# KiCad board communications-module.kicad_pcb
title: Solarcast Communications Module; date: 2017-02-09; rev: 1.0; company: Institute IRNAS Rače
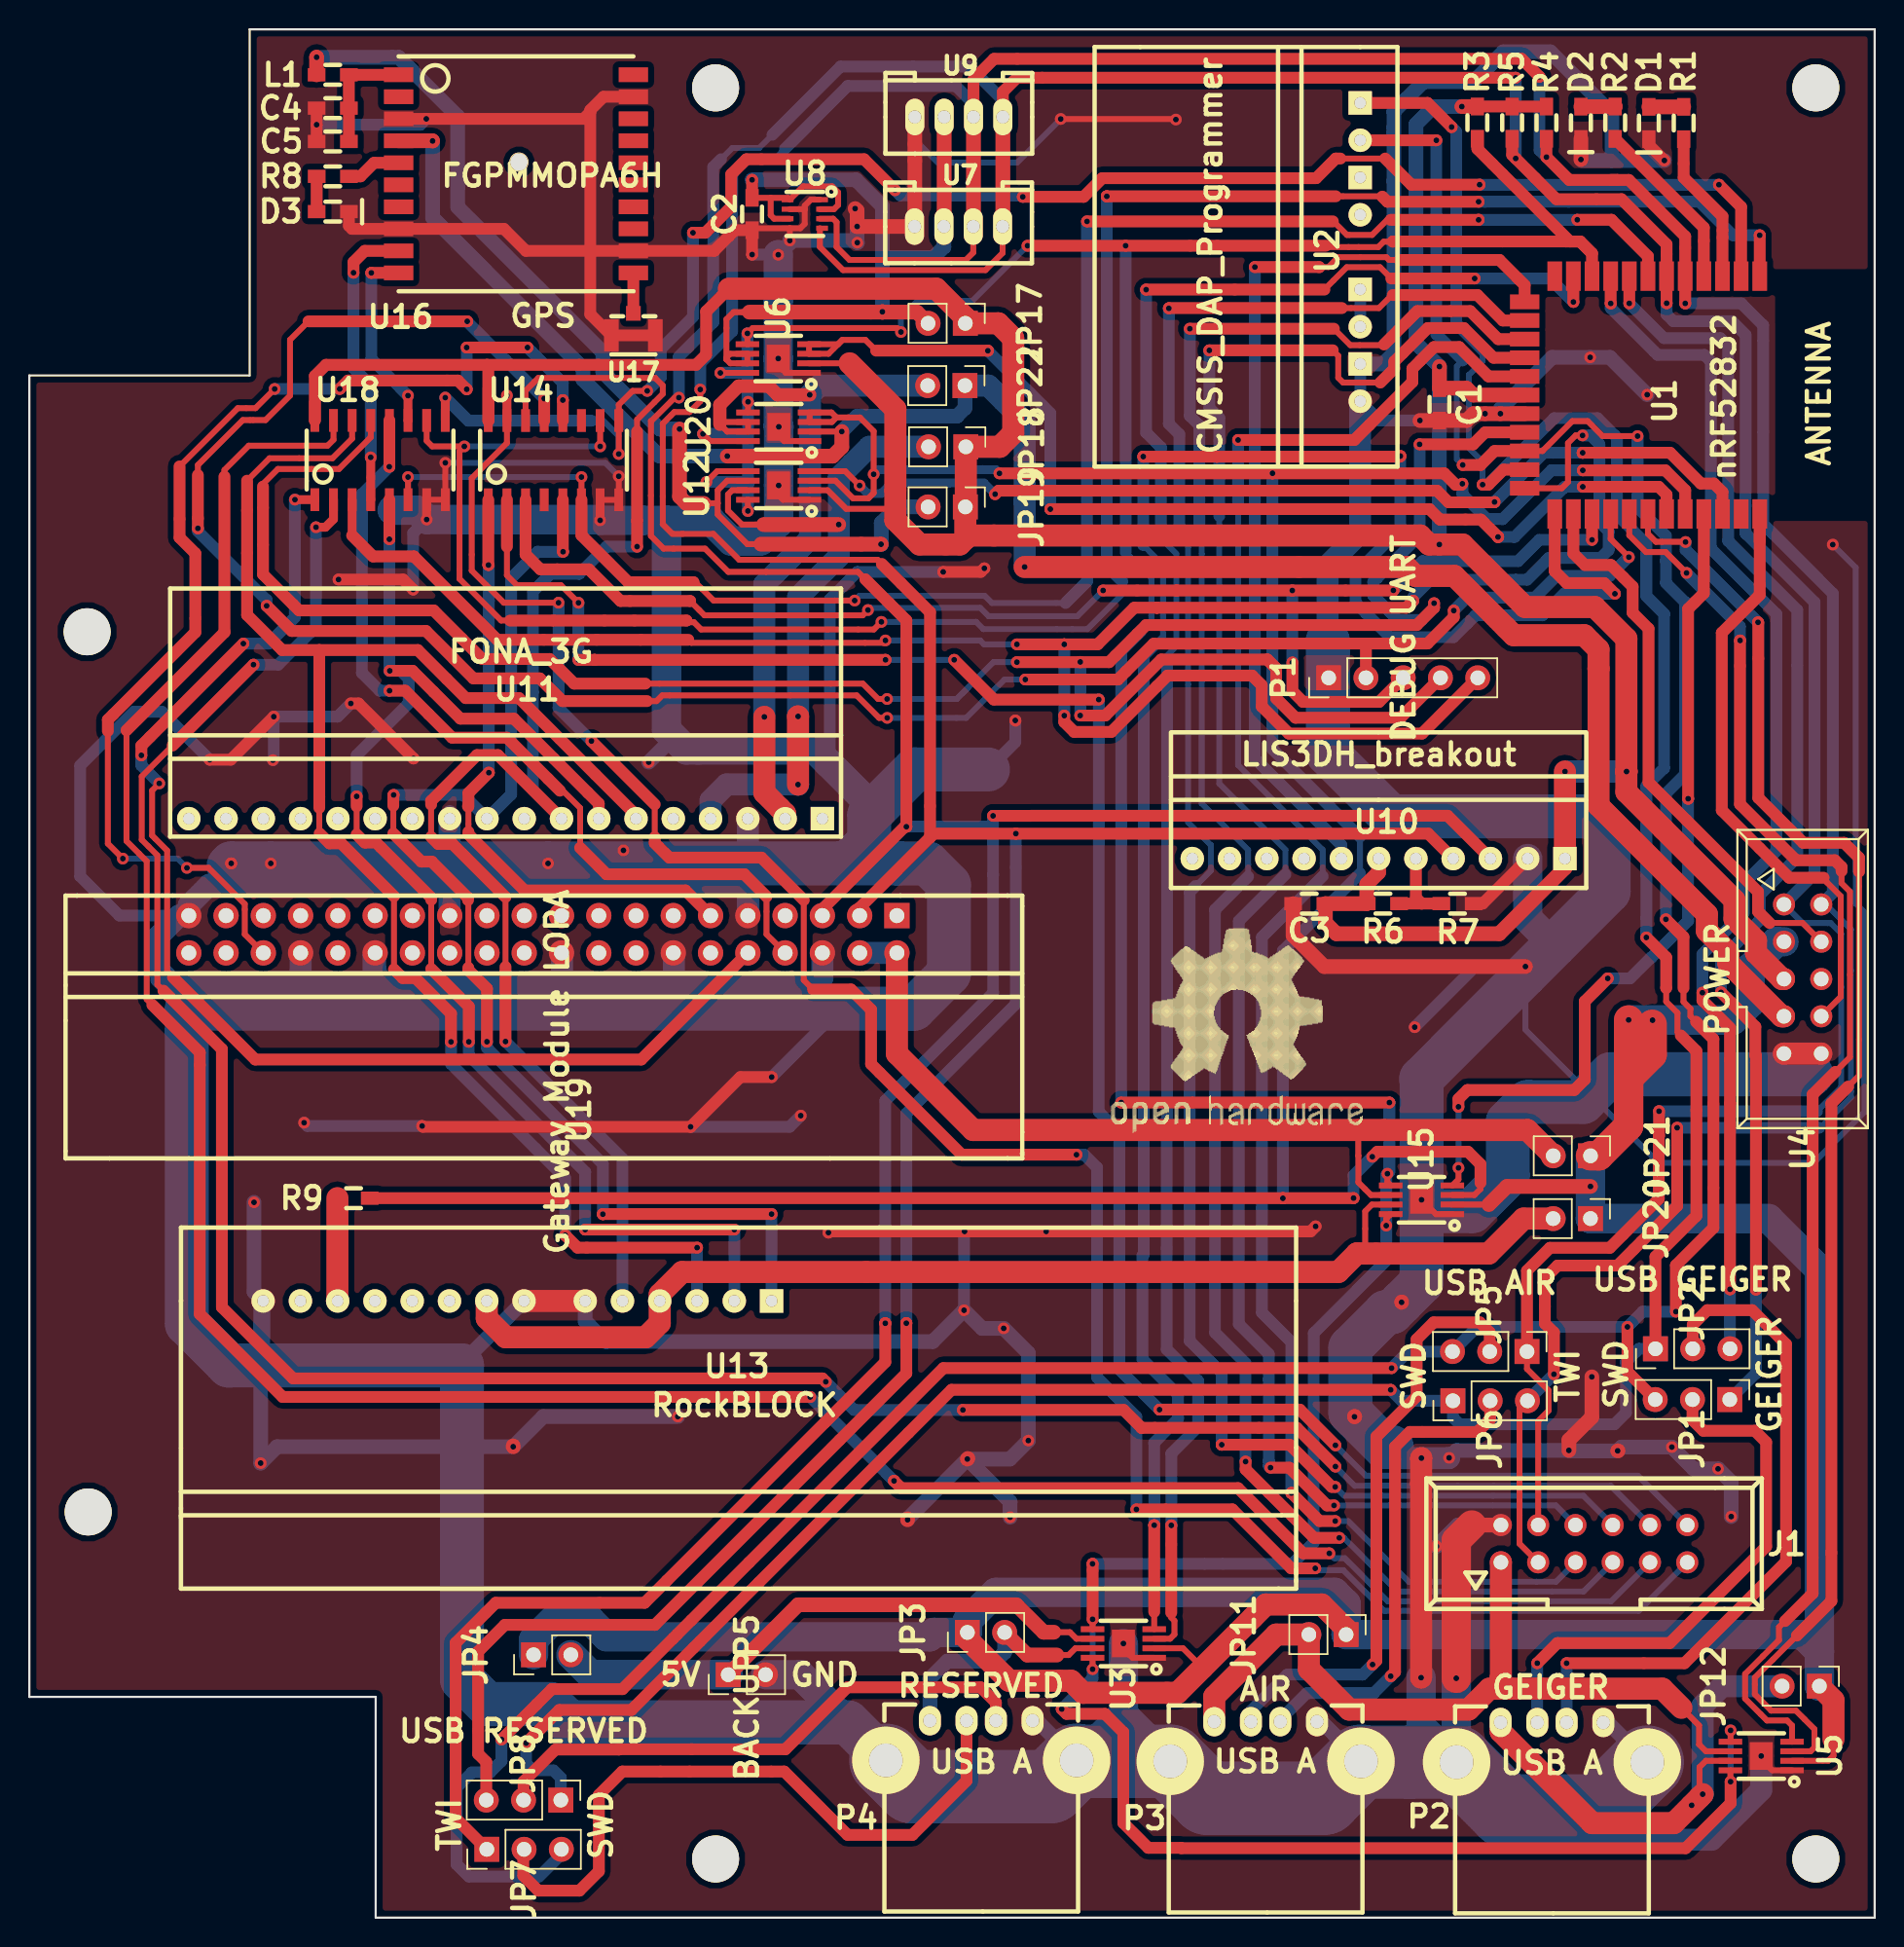
[diagram p0: board, top side]
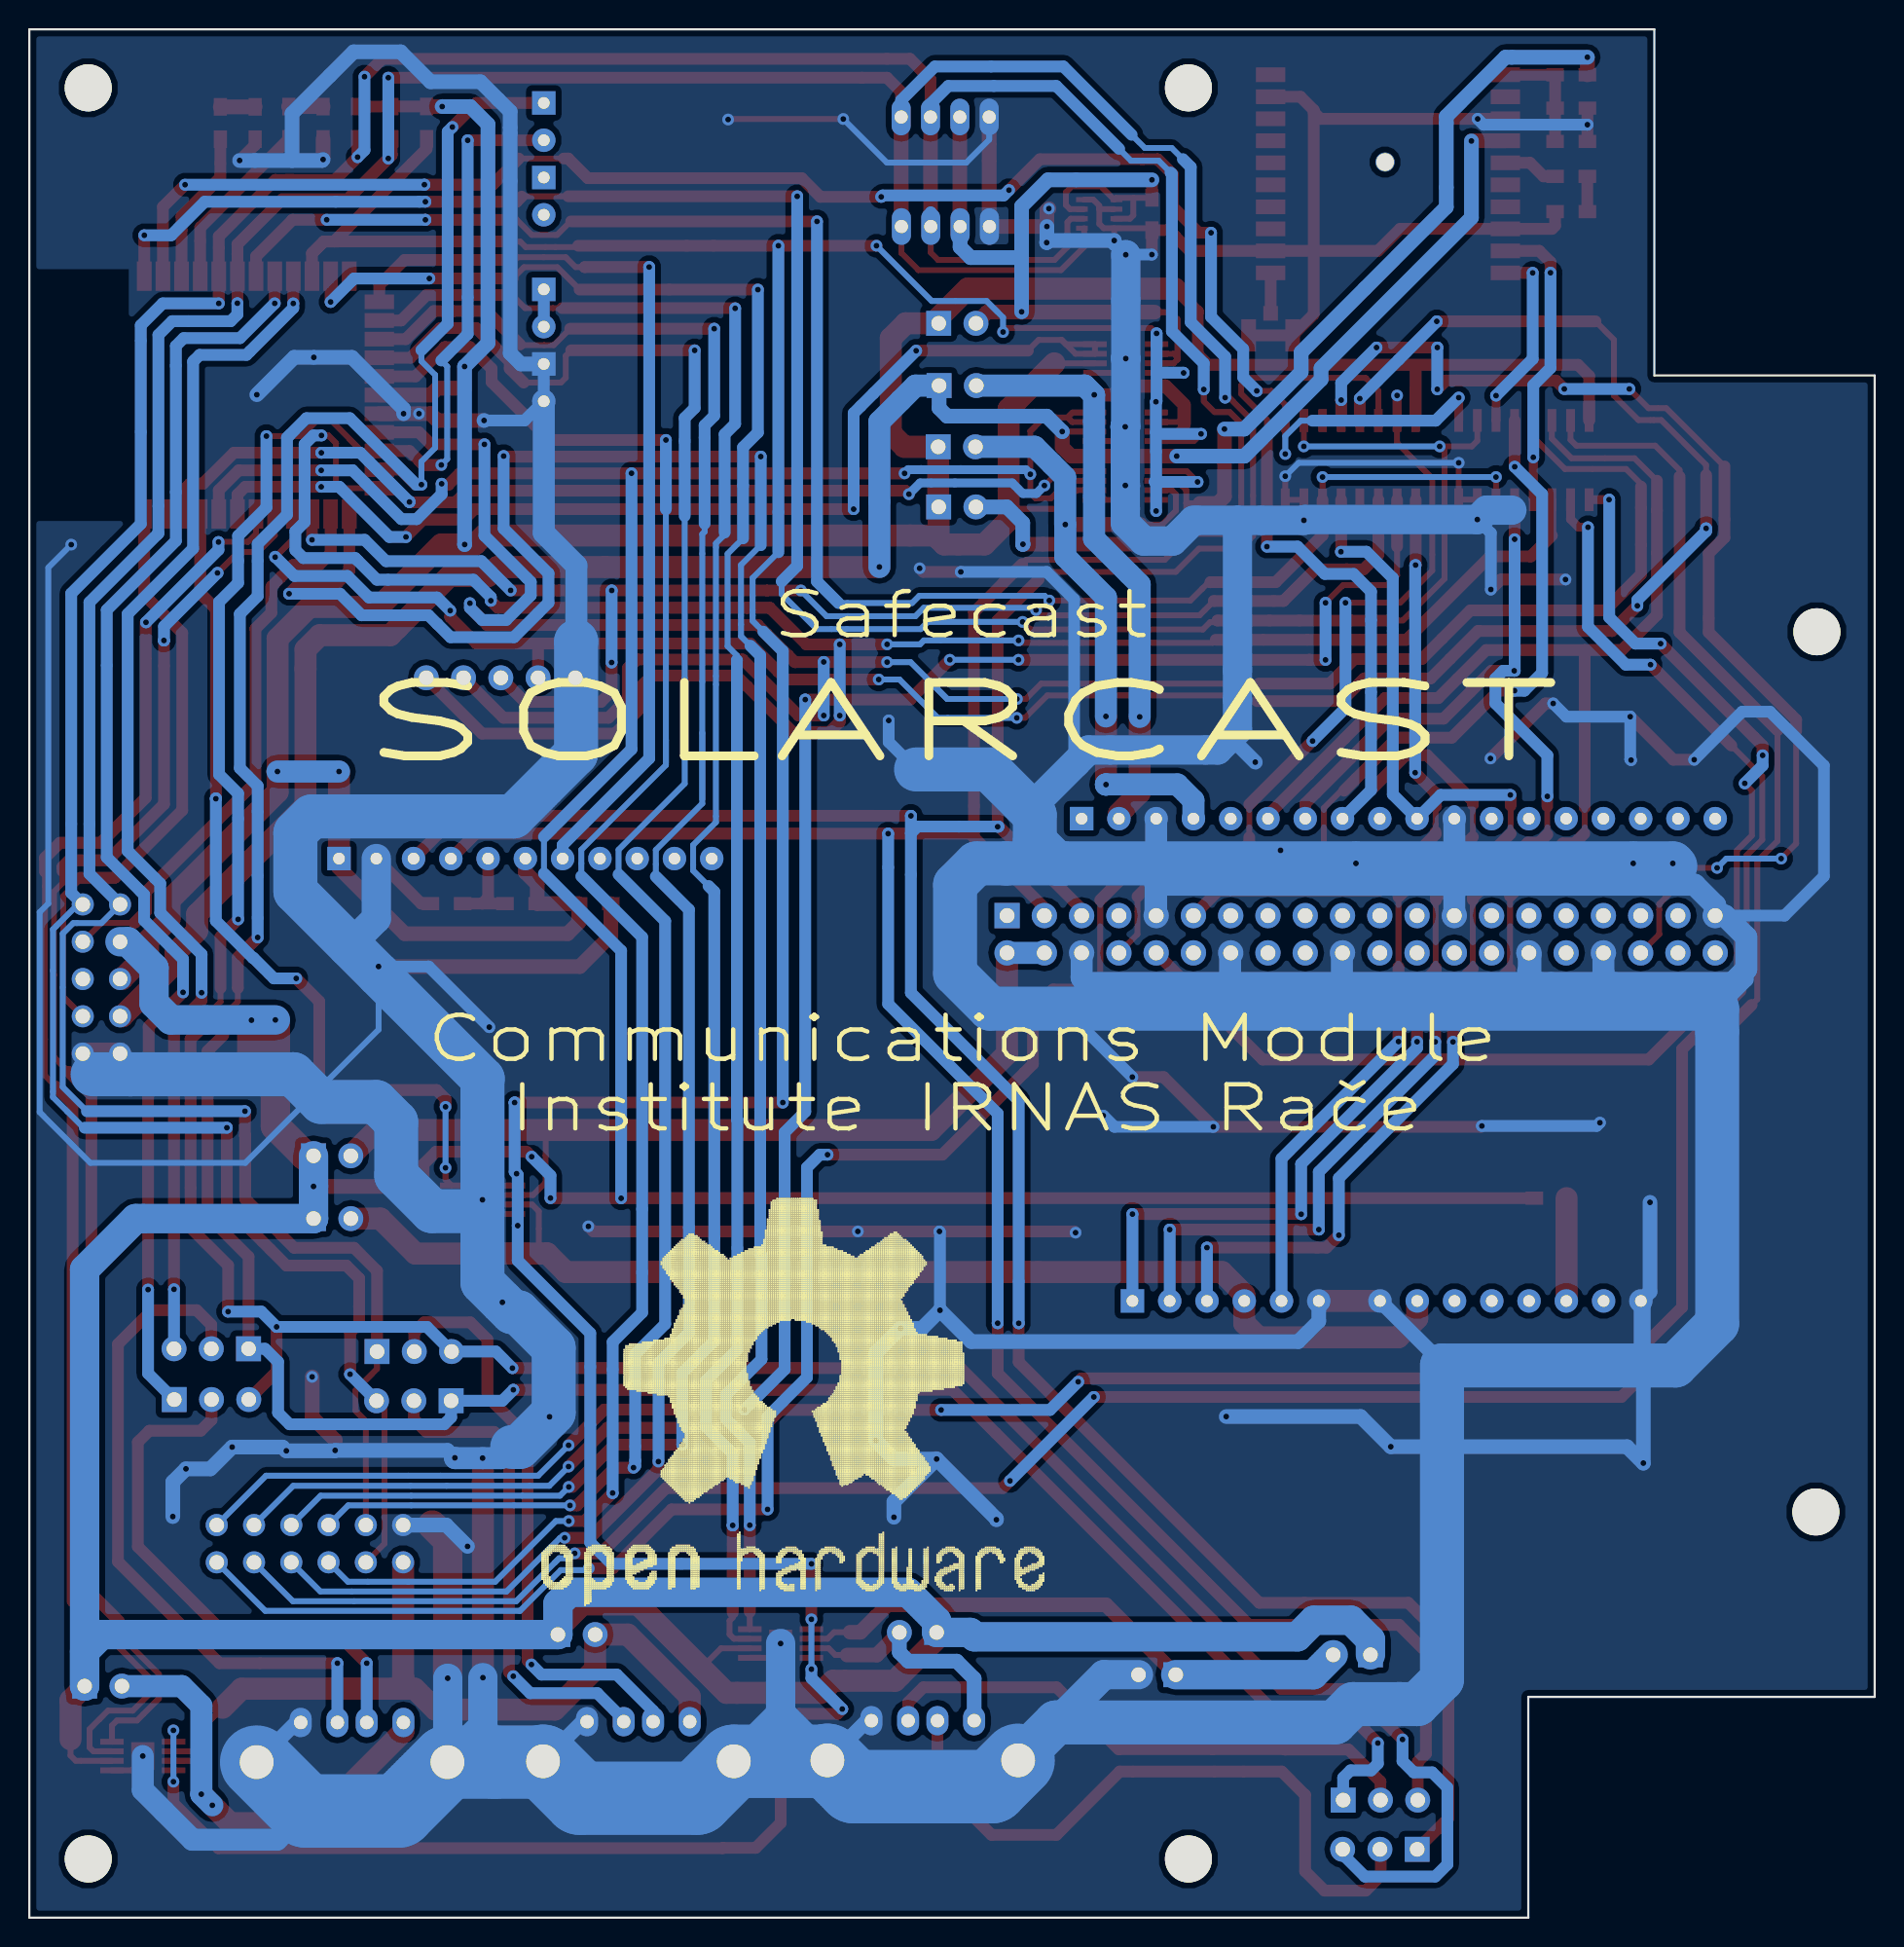
[diagram p1: board, bottom side, seen from below]

Outline 125.76 x 128.63 mm; copper layers: Top, Bottom. Coordinates in mm from the lower left corner of the outline.
Outline path: 0,105.06 0,15.04 23.6,15.04 23.6,0 125.76,0 125.76,128.63 15.01,128.63 15.01,105.06 0,105.06

## Placement (name value [footprint] x y rotation side)
C1  100nF  [0603_HandSoldering]  96.1 103.09 90 top
C2  100nF  [0603_HandSoldering]  49.25 116.06 90 top
C3  100nF  [0603_HandSoldering]  87.23 69.07 0 top
C4  1uF  [0603_HandSoldering]  20.68 123.27 0 top
C5  100nF  [0603_HandSoldering]  20.68 121 0 top
D1  LED  [LED_0603_HandSoldering]  110.37 122.25 90 top
D2  LED  [LED_0603_HandSoldering]  105.74 122.27 90 top
D3  LED  [LED_0603_HandSoldering]  20.68 116.22 180 top
G***  LOGO  [OSHWLOGO0.75IN]  72.78 69.73 0 top
G***#2  LOGO  [OSHWLOGO1.5IN]  92.78 53.73 180 bottom
J1  IDC12  [IDC12_connector]  105.37 25.47 0 top
JP1  JUMPER3  [Socket_Strip_Straight_1x03_Pitch2.54mm]  115.89 35.29 270 top
JP2  JUMPER3  [Socket_Strip_Straight_1x03_Pitch2.54mm]  110.82 38.75 90 top
JP3  Jumper_NC_Small  [Socket_Strip_Straight_1x02_Pitch2.54mm]  63.93 19.43 90 top
JP4  Jumper_NC_Small  [Socket_Strip_Straight_1x02_Pitch2.54mm]  34.36 17.91 90 top
JP5  JUMPER3  [Socket_Strip_Straight_1x03_Pitch2.54mm]  102.07 38.57 270 top
JP6  JUMPER3  [Socket_Strip_Straight_1x03_Pitch2.54mm]  97.02 35.21 90 top
JP7  JUMPER3  [Socket_Strip_Straight_1x03_Pitch2.54mm]  31.18 4.65 90 top
JP8  JUMPER3  [Socket_Strip_Straight_1x03_Pitch2.54mm]  36.22 8.01 270 top
JP11  Jumper_NC_Small  [Socket_Strip_Straight_1x02_Pitch2.54mm]  89.74 19.28 270 top
JP12  Jumper_NC_Small  [Socket_Strip_Straight_1x02_Pitch2.54mm]  121.99 15.77 270 top
JP17  Jumper_NC_Small  [Socket_Strip_Straight_1x02_Pitch2.54mm]  63.79 108.61 270 top
JP18  Jumper_NC_Small  [Socket_Strip_Straight_1x02_Pitch2.54mm]  63.82 100.2 270 top
JP19  Jumper_NC_Small  [Socket_Strip_Straight_1x02_Pitch2.54mm]  63.79 96.1 270 top
JP20  Jumper_NC_Small  [Socket_Strip_Straight_1x02_Pitch2.54mm]  106.39 47.62 270 top
JP21  Jumper_NC_Small  [Socket_Strip_Straight_1x02_Pitch2.54mm]  106.39 51.9 270 top
JP22  Jumper_NC_Small  [Socket_Strip_Straight_1x02_Pitch2.54mm]  63.76 104.37 270 top
L1  FERRITE  [0603_HandSoldering]  20.68 125.54 180 top
P1  DEBUG UART  [Socket_Strip_Straight_1x05_Pitch2.54mm]  88.55 84.46 90 top
P2  USB_A  [USB_A_receptacle]  103.77 13.29 0 top
P3  USB_A  [USB_A_receptacle]  84.25 13.35 0 top
P4  USB_A  [USB_A_receptacle]  64.87 13.42 0 top
P5  BACKUP  [Socket_Strip_Straight_1x02_Pitch2.54mm]  47.63 16.55 90 top
R1  1K  [0603_HandSoldering]  112.74 122.25 270 top
R2  1K  [0603_HandSoldering]  108.08 122.27 270 top
R3  10K  [0603_HandSoldering]  98.68 122.28 270 top
R4  10K  [0603_HandSoldering]  103.39 122.28 270 top
R5  10K  [0603_HandSoldering]  101.05 122.28 270 top
R6  0R  [0603_HandSoldering]  92.25 69.08 0 top
R7  0R  [0603_HandSoldering]  97.33 69.08 0 top
R8  1K  [0603_HandSoldering]  20.68 118.62 0 top
R9  10K  [0603_HandSoldering]  22.1 49.01 0 top
REF**  -  [MountingHole_3.2mm_M3]  84.26 124.65 0 top
REF**#2  -  [MountingHole_3.2mm_M3]  84.26 4 0 top
REF**#3  MountingHole_3.2mm_M3  [MountingHole_3.2mm_M3#2]  121.75 124.65 0 top
REF**#4  MountingHole_3.2mm_M3  [MountingHole_3.2mm_M3#2]  121.75 4 0 top
REF**#5  MountingHole_3.2mm_M3  [MountingHole_3.2mm_M3#2]  46.77 4 0 top
REF**#6  MountingHole_3.2mm_M3  [MountingHole_3.2mm_M3#2]  46.77 124.65 0 top
REF**#7  -  [MountingHole_3.2mm_M3]  3.96 47.63 0 top
REF**#8  -  [MountingHole_3.2mm_M3]  3.93 67.61 0 top
REF**#9  MountingHole_3.2mm_M3  [MountingHole_3.2mm_M3#2]  3.94 87.6 0 top
REF**#10  MountingHole_3.2mm_M3  [MountingHole_3.2mm_M3#2]  4.01 27.64 0 top
REF**#11  -  [MountingHole_3.2mm_M3]  164.53 47.62 0 top
REF**#12  -  [MountingHole_3.2mm_M3]  164.53 67.61 0 top
REF**#13  -  [MountingHole_3.2mm_M3]  164.53 87.6 0 top
REF**#14  -  [MountingHole_3.2mm_M3]  164.53 27.64 0 top
U1  nRF52832  [nRF52832-SMD]  103.96 111.82 270 top
U2  CMSIS_DAP_Programmer  [CMSIS_DAP_Breakout]  90.7 123.62 270 top
U3  TPS2066  [TPS2064]  74.56 18.67 90 top
U4  PWR_CONN  [IDC10_connector]  120.85 63.94 270 top
U5  TPS2066  [TPS2064]  118.03 11.01 90 top
U6  TPS2066  [TPS2064]  51.04 106.21 90 top
U7  I2C_connector  [DIP_Grove_4P-2_0]  60.33 115.2 0 top
U8  -  [BME280]  51.6 114.81 0 top
U9  I2C_connector  [DIP_Grove_4P-2_0]  60.35 122.66 0 top
U10  LIS3DH_breakout  [LIS3DH_breakout_vertical]  91.95 67.15 180 top
U11  FONA_3G  [FONA_3G_vertical]  55.32 76.64 180 top
U12  TPS2066  [TPS2064]  51.07 97.56 90 top
U13  RockBLOCK  [RockBlock_vertical]  10.33 42.01 0 top
U14  -  [SN74LV4052A]  35.72 99.28 0 top
U15  TPS2066  [TPS2064]  94.88 48.9 90 top
U16  FGPMMOPA6H  [FGPMMOPA6H_GPS]  25.17 110.79 0 top
U17  uFL_conn  [U.FL-R-SMT]  41.16 107.79 180 top
U18  -  [SN74LV4052A]  23.9 99.29 0 top
U19  Gateway Module LORA  [Solarcast_Gateway_Module]  10.87 65.72 270 top
U20  TPS2066  [TPS2064]  51.07 101.56 90 top

## Footprints (pads in the part's own frame, mm; a bottom-side part is the same pattern mirrored in y, then rotated)
0603_HandSoldering
  rect 1.2x0.9 smd: 1(-1.1,0) 2(1.1,0)
BME280
  rect 0.8x0.35 smd: 1(2.275,2.225) 2(2.275,1.575) 3(2.275,0.925) 4(2.275,0.275) 5(0.225,0.275) 6(0.225,0.925) 7(0.225,1.575) 8(0.225,2.225)
CMSIS_DAP_Breakout
  rect 1.6x1.6 hole 0.8: 1(17.78,0) 2(12.7,0) 4(5.08,0) 6(0,0)
  round 1.6 hole 0.8: 1(20.32,0) 2(15.24,0) 3(7.62,0) 5(2.54,0)
DIP_Grove_4P-2_0
  oval 1.3x2.5 hole 0.9: 1(0,0) 2(2,0) 3(4,0) 4(6,0)
FGPMMOPA6H_GPS
  rect 2x1 smd: 1(0,14.75) 2(0,13.25) 3(0,11.75) 4(0,10.25) 5(0,8.75) 6(0,7.25) 7(0,5.75) 8(0,4.25) 9(0,2.75) 10(0,1.25) 11(16,1.25) 12(16,2.75) 13(16,4.25) 14(16,5.75) 15(16,7.25) 16(16,8.75) 17(16,10.25) 18(16,11.75) 19(16,13.25) 20(16,14.75)
  round 1.3 hole 1.2: 21(8.2,8.8)
FONA_3G_vertical
  rect 1.6x1.6 hole 0.8: 1(1.27,1.778)
  round 1.6 hole 0.8: 2(3.81,1.778) 3(6.35,1.778) 4(8.89,1.778) 5(11.43,1.778) 6(13.97,1.778) 7(16.51,1.778) 8(19.05,1.778) 9(21.59,1.778) 10(24.13,1.778) 11(26.67,1.778) 12(29.21,1.778) 13(31.75,1.778) 14(34.29,1.778) 15(36.83,1.778) 16(39.37,1.778) 17(41.91,1.778) 18(44.45,1.778)
IDC10_connector
  round 1.506 hole 0.998: 1(-5.08,-1.27) 2(-5.08,1.27) 3(-2.54,-1.27) 4(-2.54,1.27) 5(0,-1.27) 6(0,1.27) 7(2.54,-1.27) 8(2.54,1.27) 9(5.08,-1.27) 10(5.08,1.27)
IDC12_connector
  round 1.506 hole 0.998: 1(-5.08,-1.27) 2(-5.08,1.27) 3(-2.54,-1.27) 4(-2.54,1.27) 5(0,-1.27) 6(0,1.27) 7(2.54,-1.27) 8(2.54,1.27) 9(5.08,-1.27) 10(5.08,1.27) 11(7.62,-1.27) 12(7.62,1.27)
LED_0603_HandSoldering
  rect 1.2x0.9 smd: 1(-1.1,0) 2(1.1,0)
LIS3DH_breakout_vertical
  rect 1.6x1.6 hole 0.8: 1(-12.7,-5)
  round 1.6 hole 0.8: 2(-10.16,-5) 3(-7.62,-5) 4(-5.08,-5) 5(-2.54,-5) 6(0,-5) 7(2.54,-5) 8(5.08,-5) 9(7.62,-5) 10(10.16,-5) 11(12.7,-5)
MountingHole_3.2mm_M3#2
  round 3.2 hole 3.2 unplated: (0,0)
nRF52832-SMD
  rect 2x1 smd: 1(0,13.97) 2(0,12.7) 3(0,11.43) 4(0,10.16) 5(0,8.89) 6(0,7.62) 7(0,6.35) 8(0,5.08) 9(0,3.81) 10(0,2.54) 11(0,1.27) 12(0,0) 24(16.2,0) 25(16.2,1.27) 26(16.2,2.54) 27(16.2,3.81) 28(16.2,5.08) 29(16.2,6.35) 30(16.2,7.62) 31(16.2,8.89) 32(16.2,10.16) 33(16.2,11.43) 34(16.2,12.7) 35(16.2,13.97)
  rect 1x2 smd: 13(1.75,-2.05) 14(3.02,-2.05) 15(4.29,-2.05) 16(5.56,-2.05) 17(6.83,-2.05) 18(8.1,-2.05) 19(9.37,-2.05) 20(10.64,-2.05) 21(11.91,-2.05) 22(13.18,-2.05) 23(14.45,-2.05)
RockBlock_vertical
  rect 1.6x1.6 hole 0.8: 1(40.25,0)
  round 1.6 hole 0.8: 2(37.71,0) 3(35.17,0) 4(32.63,0) 5(30.09,0) 6(27.55,0) 7(23.38,0) 8(20.84,0) 9(18.3,0) 10(15.76,0) 11(13.22,0) 12(10.68,0) 13(8.14,0) 14(5.6,0)
SN74LV4052A
  rect 0.6x1.55 smd: 1(-4.445,-2.7) 2(-3.175,-2.7) 3(-1.905,-2.7) 4(-0.635,-2.7) 5(0.635,-2.7) 6(1.905,-2.7) 7(3.175,-2.7) 8(4.445,-2.7) 9(4.445,2.7) 10(3.175,2.7) 11(1.905,2.7) 12(0.635,2.7) 13(-0.635,2.7) 14(-1.905,2.7) 15(-3.175,2.7) 16(-4.445,2.7)
Socket_Strip_Straight_1x02_Pitch2.54mm
  rect 1.7x1.7 hole 1: 1(0,0)
  oval 1.7x1.7 hole 1: 2(0,-2.54)
Socket_Strip_Straight_1x03_Pitch2.54mm
  rect 1.7x1.7 hole 1: 1(0,0)
  oval 1.7x1.7 hole 1: 2(0,-2.54) 3(0,-5.08)
Socket_Strip_Straight_1x05_Pitch2.54mm
  rect 1.7x1.7 hole 1: 1(0,0)
  oval 1.7x1.7 hole 1: 2(0,-2.54) 3(0,-5.08) 4(0,-7.62) 5(0,-10.16)
Solarcast_Gateway_Module
  rect 1.727x1.727 hole 1.016: 1(-2.54,48.26)
  oval 1.727x1.727 hole 1.016: 2(0,48.26) 3(-2.54,45.72) 4(0,45.72) 5(-2.54,43.18) 6(0,43.18) 7(-2.54,40.64) 8(0,40.64) 9(-2.54,38.1) 10(0,38.1) 11(-2.54,35.56) 12(0,35.56) 13(-2.54,33.02) 14(0,33.02) 15(-2.54,30.48) 16(0,30.48) 17(-2.54,27.94) 18(0,27.94) 19(-2.54,25.4) 20(0,25.4) 21(-2.54,22.86) 22(0,22.86) 23(-2.54,20.32) 24(0,20.32) 25(-2.54,17.78) 26(0,17.78) 27(-2.54,15.24) 28(0,15.24) 29(-2.54,12.7) 30(0,12.7) 31(-2.54,10.16) 32(0,10.16) 33(-2.54,7.62) 34(0,7.62) 35(-2.54,5.08) 36(0,5.08) 37(-2.54,2.54) 38(0,2.54) 39(-2.54,0) 40(0,0)
TPS2064
  rect 0.4x1.6 smd: 1(-0.975,-2.1) 2(-0.325,-2.1) 3(0.325,-2.1) 4(0.975,-2.1) 5(0.975,2.1) 6(0.325,2.1) 7(-0.325,2.1) 8(-0.975,2.1)
  rect 1.89x1.57 smd: 1(0,0)
U.FL-R-SMT
  rect 1x1 smd: 1(0,-1.5)
  rect 1x2.2 smd: 2(-1.5,0) 2(1.5,0)
USB_A_receptacle
  oval 1.5x2 hole 0.92: 1(-3.5,0) 2(-1,0) 3(1,0) 4(3.5,0)
  round 4.6 hole 2.3: 5(-6.5,-2.7) 5(6.5,-2.7)

## Nets
+3V3: C1.2 C3.2 JP17.1 JP18.1 JP19.1 R3.1 R4.1 R5.1 R6.1 U1.18 U4.5 U6.2 U10.1 U10.6 U12.2 U14.16 U18.16
+5V: JP3.1 JP4.1 JP11.1 JP12.1 JP20.1 JP21.1 U3.2 U4.3 U5.2 U15.2
GND: C1.1 C2.1 C3.1 C4.1 C5.1 D1.1 D2.1 D3.1 J1.2 P1.1 P2.4 P2.5 P3.4 P3.5 P4.4 P4.5 P5.2 R7.2 U1.19 U2.1 U3.1 U4.9 U4.10 U5.1 U6.1 U7.1 U8.1 U8.5 U8.7 U9.1 U10.2 U11.3 U11.11 U12.1 U13.6 U13.7 U13.14 U14.7 U14.8 U15.1 U16.3 U16.8 U16.12 U16.19 U17.2 U18.7 U18.8 U19.6 U19.9 U19.14 U19.20 U19.25 U19.30 U19.34 U19.39 U20.1
VBAT: JP22.1 U4.7 U16.4 U20.2
ACC_INT: U1.13 U10.7
AIR_5V: J1.1 JP11.2 P3.1 U5.6
AIR_CTS: J1.11 U14.15
AIR_RTS: J1.12 U14.2
AIR_RX: J1.10 U18.2
AIR_TX: J1.9 U18.15
BACKUP_5V: JP4.2 P5.1 U3.6
ENABLE-5V: U1.25 U4.4
ENABLE-AIR: U1.28 U5.4
ENABLE-BACKUP: U1.24 U3.4
ENABLE-FONA_ROCK: R9.2 U1.31 U12.3 U15.3 U20.3 U20.4
ENABLE-GEIG: U1.29 U5.3
ENABLE-GPS: U1.33 U12.4
ENABLE-LORA: U1.32 U15.4
ENABLE-RESERV: U1.11 U3.3
ENABLE-TWI: U1.30 U6.3 U6.4
ENABLE-VBAT: U1.35 U4.8
FONA_3V3: JP18.2 U11.4 U12.7
FONA_ROCK_CTS: U11.8 U13.5 U14.14
FONA_ROCK_RTS: U11.10 U13.1 U14.5
FONA_ROCK_RX: U11.7 U13.2 U18.5
FONA_ROCK_TX: U11.6 U13.3 U18.14
FONA_VBAT: JP22.2 U11.2 U20.6 U20.7
GEIGER0: JP1.1 U1.8
GEIGER1: JP2.3 U1.9
GEIGER_5V: JP12.2 P2.1 U5.7
GPS_3V3: JP19.2 L1.2 U12.6
GPS_RX: U16.9 U18.4
GPS_TX: U16.10 U18.11
LED_RED: R1.2 U1.3
LED_YEL: R2.2 U1.4
LORA_5V: JP21.2 U15.6 U19.2 U19.4
LORA_CTS: U14.12 U19.36
LORA_RTS: U14.1 U19.11
LORA_RX: U18.1 U19.10
LORA_TX: U18.12 U19.8
NRF_SWCLK: JP1.3 JP5.3 JP7.3 U1.21 U2.5
NRF_SWDIO: JP2.1 JP6.1 JP8.1 U1.22 U2.6
PWR_SWITCH_OC: R3.2 U1.10 U3.5 U3.8 U5.5 U5.8 U6.5 U6.8 U12.5 U12.8 U15.5 U15.8 U20.5 U20.8
RESERV_5V: JP3.2 P4.1 U3.7
ROCK_5V: JP20.2 U13.4 U13.8 U15.7
SPI_CS: J1.6 U1.16
SPI_MISO: J1.7 U1.15
SPI_MOSI: J1.8 U1.14
SPI_SCLK: J1.5 U1.17
TWI_3V3: C2.2 JP17.2 U6.6 U6.7 U7.2 U8.2 U8.6 U8.8 U9.2
TWI_SCL: J1.4 JP5.1 JP7.1 R5.2 U1.6 U4.1 U7.4 U8.4 U9.4 U10.3 U19.5
TWI_SDA: J1.3 JP6.3 JP8.3 R4.2 U1.5 U4.2 U7.3 U8.3 U9.3 U10.4 U19.3
UART_CTS: P1.2 U1.27 U14.13
UART_RTS: P1.3 U1.26 U14.3
UART_RX: P1.5 U1.23 U18.3
UART_TX: P1.4 U1.20 U18.13
UMUX_INH: U1.7 U14.6 U18.6
UMUX_SEL0: U1.1 U14.10 U18.10
UMUX_SEL1: U1.2 U14.9 U18.9
Net-(C4-Pad2): C4.2 C5.2 L1.1 U16.1
Net-(D1-Pad2): D1.2 R1.1
Net-(D2-Pad2): D2.2 R2.1
Net-(D3-Pad2): D3.2 R8.1
Net-(JP1-Pad2): JP1.2 P2.2
Net-(JP2-Pad2): JP2.2 P2.3
Net-(JP5-Pad2): JP5.2 P3.2
Net-(JP6-Pad2): JP6.2 P3.3
Net-(JP7-Pad2): JP7.2 P4.2
Net-(JP8-Pad2): JP8.2 P4.3
Net-(R6-Pad2): R6.2 R7.1 U10.5
Net-(R8-Pad2): R8.2 U16.5
Net-(R9-Pad1): R9.1 U13.12
Net-(U2-Pad2): U2.2
Net-(U16-Pad11): U16.11 U17.1

Pads without a net: U1 12 34; U2 3 4; U4 6; U10 8 9 10 11; U11 1 5 9 12 13 14 15 16 17 18; U13 9 10 11 13; U14 4 11; U16 2 6 7 13 14 15 16 17 18 20 21; U19 1 7 12 13 15 16 17 18 19 21 22 23 24 26 27 28 29 31 32 33 35 37 38 40

## Via types
v1: diameter 0.8, hole 0.4, Top to Bottom, 308 vias

## Routing (per net, layer and track width the routed paths; a pad name or vN(x,y) marks a point on that pad's centre or on a via; arc(x,y) is an arc through that point)
+3V3: length 265.7
  Top w0.4: 55.91,105.89 55.9,105.88 U6.2 ; 59.02,97.24 59.04,97.22 59.07,97.22 59.02,97.22 ; 59.02,95.97 55.67,95.97 54.4,97.24 U12.2
  Top w0.8: 47.68,110.97 46.12,109.41 46.12,106.47 45.44,105.78 31.19,105.78 ; 31.19,105.78 20.22,105.78 19.46,105.02 U18.16 19.46,103.21 ; 31.19,105.78 31.28,105.7 U14.16 31.3,102 31.3,104.24 ; 91.14,69.07 R6.1 ; R4.1 R5.1 101.05,123.38 R3.1
  Top w1: v1(96.09,93.54) 96.09,93.54 ; v1(96.09,93.54) 96.09,93.54 ; v1(96.09,93.54) 96.09,93.54 ; R3.1 98.68,123.37 v1(97.63,123.37) ; R6.1 91.15,70.4 91.95,71.2 U10.6 ; 91.14,69.07 C3.2 88.33,67.78 89.08,67.03 100.17,67.03 104.65,71.51 U10.1 ; v1(96.1,105.66) C1.2 97.94,104.19 98.41,103.72 U1.18
  Top w1.5: 63.79,93.92 63.41,93.54 60.67,93.54 59.02,95.19 59.02,102.77 55.9,105.88 ; 63.79,93.92 JP19.1 63.82,96.13 JP18.1 66.13,100.2 67.05,101.12 67.05,107.59 66.04,108.61 JP17.1 63.79,108.99 61.81,110.97 47.68,110.97 ; 63.79,93.92 64.02,94.15 94.79,94.15 95.4,93.54 v1(96.09,93.54) 97.68,93.54 101.94,89.28 106.69,89.28 108.84,87.13 108.84,78.08 ; 108.84,78.08 v1(108.85,78.08) ; 108.84,78.08 v1(108.85,78.08) ; 108.84,78.08 v1(108.85,78.08) ; 108.84,78.08 108.84,76.68 116.21,69.31 116.21,68.03 117.67,66.57 117.67,65.71 119.44,63.94 U4.5 ; v1(104.65,78.08) U10.1
  Bottom w1: v1(96.09,93.54) 96.1,93.55 v1(96.1,105.66) 94.5,107.26 94.5,122.17 95.71,123.37 v1(97.63,123.37)
  Bottom w1.5: v1(108.85,78.08) v1(104.65,78.08)
+5V: length 229.2
  Top w0.4: 122.95,12.15 122.95,11.04 122.6,10.68 U5.2 ; 79.95,17.02 78.62,18.35 U3.2 ; U15.2 99.47,48.58
  Top w1: v1(106.39,49.81) 100.7,49.81 99.47,48.58
  Top w1.5: JP11.1 89.74,19.67 88.07,21.33 84.27,21.33 78.25,15.31 71.82,15.31 70.99,16.14 66.76,16.14 63.93,18.97 JP3.1 ; JP12.1 122.95,14.81 122.95,12.15
  Top w2: 108.99,57.19 108.99,53.93 106.96,51.9 JP21.1 ; 108.99,57.19 v1(108.99,61.15) ; 108.99,57.19 110.6,58.8 110.6,60.86
  Bottom w1.5: JP3.1 63.93,19.85
  Bottom w2: v1(108.99,61.15) 116.12,61.15 117.26,62.29 117.26,64.69 119.06,66.48 U4.3 ; JP4.1 34.36,18.93 35.69,20.26 38.22,20.26 39.34,19.13 61.35,19.13 61.64,19.43 JP3.1 63.93,20.21 65.87,22.16 88.96,22.16 89.74,21.38 JP11.1 120.84,19.28 121.99,18.13 JP12.1 121.99,44.16 118.53,47.62 JP20.1 106.39,47.62 v1(106.39,49.81) JP21.1
  vias: v1(110.62,61.14)
GND: length 1413
  Top w0.4: U3.1 75.18,17.7 74.56,18.32 v1(74.56,18.67) ; v1(118.03,11.01) 118.03,10.79 118.79,10.03 U5.1 ; U6.1 51.56,105.23 51.04,105.75 v1(51.04,106.21) ; U20.1 51.43,100.58 51.07,100.95 v1(51.07,101.56) ; U12.1 51.37,96.59 51.07,96.89 v1(51.07,97.56) ; 49.38,115.08 C2.1 49.38,115.08 ; 49.38,115.08 U8.5 ; v1(94.88,48.9) 95.85,47.93 U15.1 ; 40.17,96.59 U14.8 ; U14.8 U14.7 ; U14.8 v1(40.17,98.19) ; v1(28.35,99.11) 28.35,99.1 U18.8 U18.7 ; 52.84,116.38 52.84,115.38 52.54,115.08 U8.5 ; 52.84,116.38 U8.7 ; 52.84,116.38 52.84,116.62 53.25,117.03 U8.1 ; v1(51.82,114.25) 51.83,114.25 U8.5 ; v1(78.14,122.49) 78.1,122.53 v1(70.29,122.53)
  Top w0.6: v1(38.9,95.19) U14.7 ; U18.7 v1(27.08,95.24)
  Top w0.8: v1(111.43,119.7) 110.37,120.76 D1.1 ; 67.21,81.54 v1(67.19,81.55) ; 38.23,113.54 33.84,113.54 32.34,115.04 U16.8 21.99,115.04 21.78,115.26 D3.1 ; 38.23,113.54 U16.12 46.67,113.54 48.09,114.96 C2.1 49.25,113.3 v1(49.26,113.29) ; 38.23,113.54 38.23,113.58 ; C5.1 19.58,121 v1(19.58,122.14) C4.1 ; 38.23,123 38.23,123.14 39.13,124.04 U16.19 ; 38.23,123 37.77,122.54 v1(27.05,122.54) 25.17,122.54 U16.3 ; 38.23,123 38.23,113.58 ; 38.23,113.58 38.23,109.22 U17.2 U17.2 ; U10.2 99.05,69.08 R7.2 ; v1(26.77,53.93) 26.83,53.87 v1(45.07,53.87) 48.46,57.26 v1(50.59,57.26) ; v1(87.66,47.09) 87.32,46.75 v1(69.3,46.75) v1(63.74,46.75) 54.54,46.75 v1(54.46,46.67) ; v1(16.66,81.81) 13.72,78.88 v1(12.3,78.88) ; v1(26.18,78.96) 22.43,82.71 v1(21.91,82.71) ; v1(13.76,71.82) 13.75,71.81 ; v1(21.07,91.16) 25.48,91.16 v1(26.16,90.48) ; v1(65.08,91.92) 64.84,91.67 v1(62.28,91.67)
  Top w1: 98.3,26.74 J1.2 ; v1(108.24,31.8) 108.27,31.8 ; v1(63.93,31.24) 63.97,31.28 ; v1(59.85,27.11) 59.85,27.16 ; v1(32.97,32.08) 32.97,32.14 ; v1(106.48,36.84) 106.48,34.1 104.92,32.53 v1(104.92,31.83) ; v1(90.31,34.12) 90.32,34.13 90.32,34.15 ; v1(93.52,41.92) 93.52,41.94 ; v1(101.96,64.79) 88.24,64.79 86.13,66.91 C3.1 ; v1(56.28,116.42) 56.41,116.29 v1(56.41,115.2) 56.42,115.2 U7.1 60.35,115.22 U9.1 ; v1(94.77,101.99) C1.1 97.96,101.99 98.42,102.45 v1(99.21,102.45) v1(100.25,102.45) U1.19 ; D2.1 v1(105.74,119.77)
  Top w1.5: 94.85,29.58 94.86,29.59 ; 94.85,29.58 94.85,31.28 v1(94.87,31.3) ; 94.85,29.58 v1(94.85,16.35) ; U4.9 U4.10 ; U13.7 U13.6
  Top w2: 98.3,26.74 97.25,25.69 v1(97.25,16.31)
  Bottom w0.4: v1(74.56,18.67) 74.56,18.67 ; v1(40.17,98.19) 39.25,99.11 v1(28.35,99.11) ; v1(99.21,102.45) 99.21,102.45 ; v1(100.25,102.45) 100.25,102.46 ; 51.82,114.06 v1(51.04,113.28) ; v1(122.9,93.53) 124.47,91.97 124.47,69.08 125.05,68.49 125.05,54.87 121.6,51.42 111.04,51.42 101.96,60.49 v1(101.96,64.79) ; 43.39,85.46 43.42,85.42 43.42,85 ; v1(70.29,122.53) 67.32,119.56 61.91,119.56 60.35,121.12 U9.1
  Bottom w0.8: 65.33,78.22 67.19,80.08 v1(67.19,81.55) ; 19.58,122.14 v1(19.58,122.14) 26.66,122.14 v1(27.05,122.54) ; v1(51.04,113.28) 51.03,113.29 v1(49.26,113.29) ; 88.5,79.28 88.55,79.33 P1.1 ; v1(50.59,57.26) 54.05,60.72 U19.6 ; v1(52.57,54.63) 51.81,53.87 v1(45.07,53.87) ; v1(18.72,54.15) 18.95,53.93 v1(26.77,53.93) ; v1(94.41,60.66) 98.54,64.79 v1(101.96,64.79) ; v1(63.74,46.75) 63.7,46.71 v1(63.7,41.37) ; v1(12.3,78.88) 9.03,82.15 7.13,82.15 3.46,78.48 3.46,70.94 6.14,68.26 10.87,68.26 10.87,68.93 v1(13.76,71.82) ; v1(16.6,78.85) 16.66,78.91 v1(16.66,81.81) 21.01,81.81 v1(21.91,82.71) ; v1(26.16,90.48) 26.16,94.32 v1(27.08,95.24) ; v1(40.49,72.71) 36.24,72.71 v1(35.35,71.82) ; v1(62.28,91.67) 56.43,91.67 54.55,89.8 54.55,78.79 54.44,78.68 ; U2.1 v1(90.7,103.3) 92.01,101.99 v1(94.77,101.99)
  Bottom w1: P4.5 68.67,13.42 P4.4 ; P3.5 88.05,13.35 P3.4 ; P2.5 107.57,13.29 P2.4 ; 10.73,61.92 8.75,63.9 8.75,64.61 ; v1(94.77,101.99) 94.77,101.99 ; v1(105.74,119.77) 105.81,119.7 107.85,119.7 ; U2.1 92.26,105.84 92.99,106.57 92.99,123.04 95.02,125.07 98.42,125.07 100.45,127.1 103.66,127.1 107.85,122.91 107.85,119.7 ; 118.89,57.45 119.58,58.15 U4.9 ; 121.45,57.45 122.12,58.13 U4.10 ; 107.85,119.7 v1(111.43,119.7) ; 15.92,37.61 15.92,42 U13.14 ; 29.48,37.61 29.48,37.78 U13.7 ; v1(115.98,27.32) 115.98,29.68 v1(115.09,30.57) 113.42,30.57 v1(111.94,32.06) 108.5,32.06 v1(108.24,31.8) 104.95,31.8 v1(104.92,31.83) 97.26,31.83 v1(96.76,31.32) ; v1(63.93,31.24) 66.82,31.24 v1(68.08,32.5) 68.08,38.46 v1(66.4,40.14) 64.93,40.14 v1(63.7,41.37) 61.56,39.24 39.28,39.24 37.88,40.63 U13.6 ; v1(63.93,31.24) 66.84,28.33 v1(66.84,27.28) ; v1(63.93,31.24) 59.85,27.17 v1(59.85,27.11) ; v1(44.19,34.14) 35.03,34.14 v1(32.97,32.08) 16.88,32.08 v1(15.76,30.96) 15.76,41.84 U13.14 ; v1(15.31,48.73) 15.31,42.63 U13.14 ; v1(42.21,78.71) 43.42,79.93 43.42,80.9 ; v1(95.9,25.29) 97.35,26.74 J1.2 ; v1(110.26,103.75) 107.71,106.29 v1(106.37,106.29) 103.77,106.29 100.25,102.77 v1(100.25,102.45) ; v1(101.96,64.79) 102.23,64.52 v1(101.96,64.79) ; v1(101.96,64.79) 101.96,64.24 ; v1(51.04,113.28) 51.82,114.06 v1(51.82,114.25) 56.29,114.25 v1(56.43,114.11) 56.41,114.12 v1(56.41,115.2) ; U11.11 28.65,75.28 ; 88.48,87.94 88.48,86.95 ; U19.6 54.05,61.93